# KiCad board mainPCB.kicad_pcb (continued)
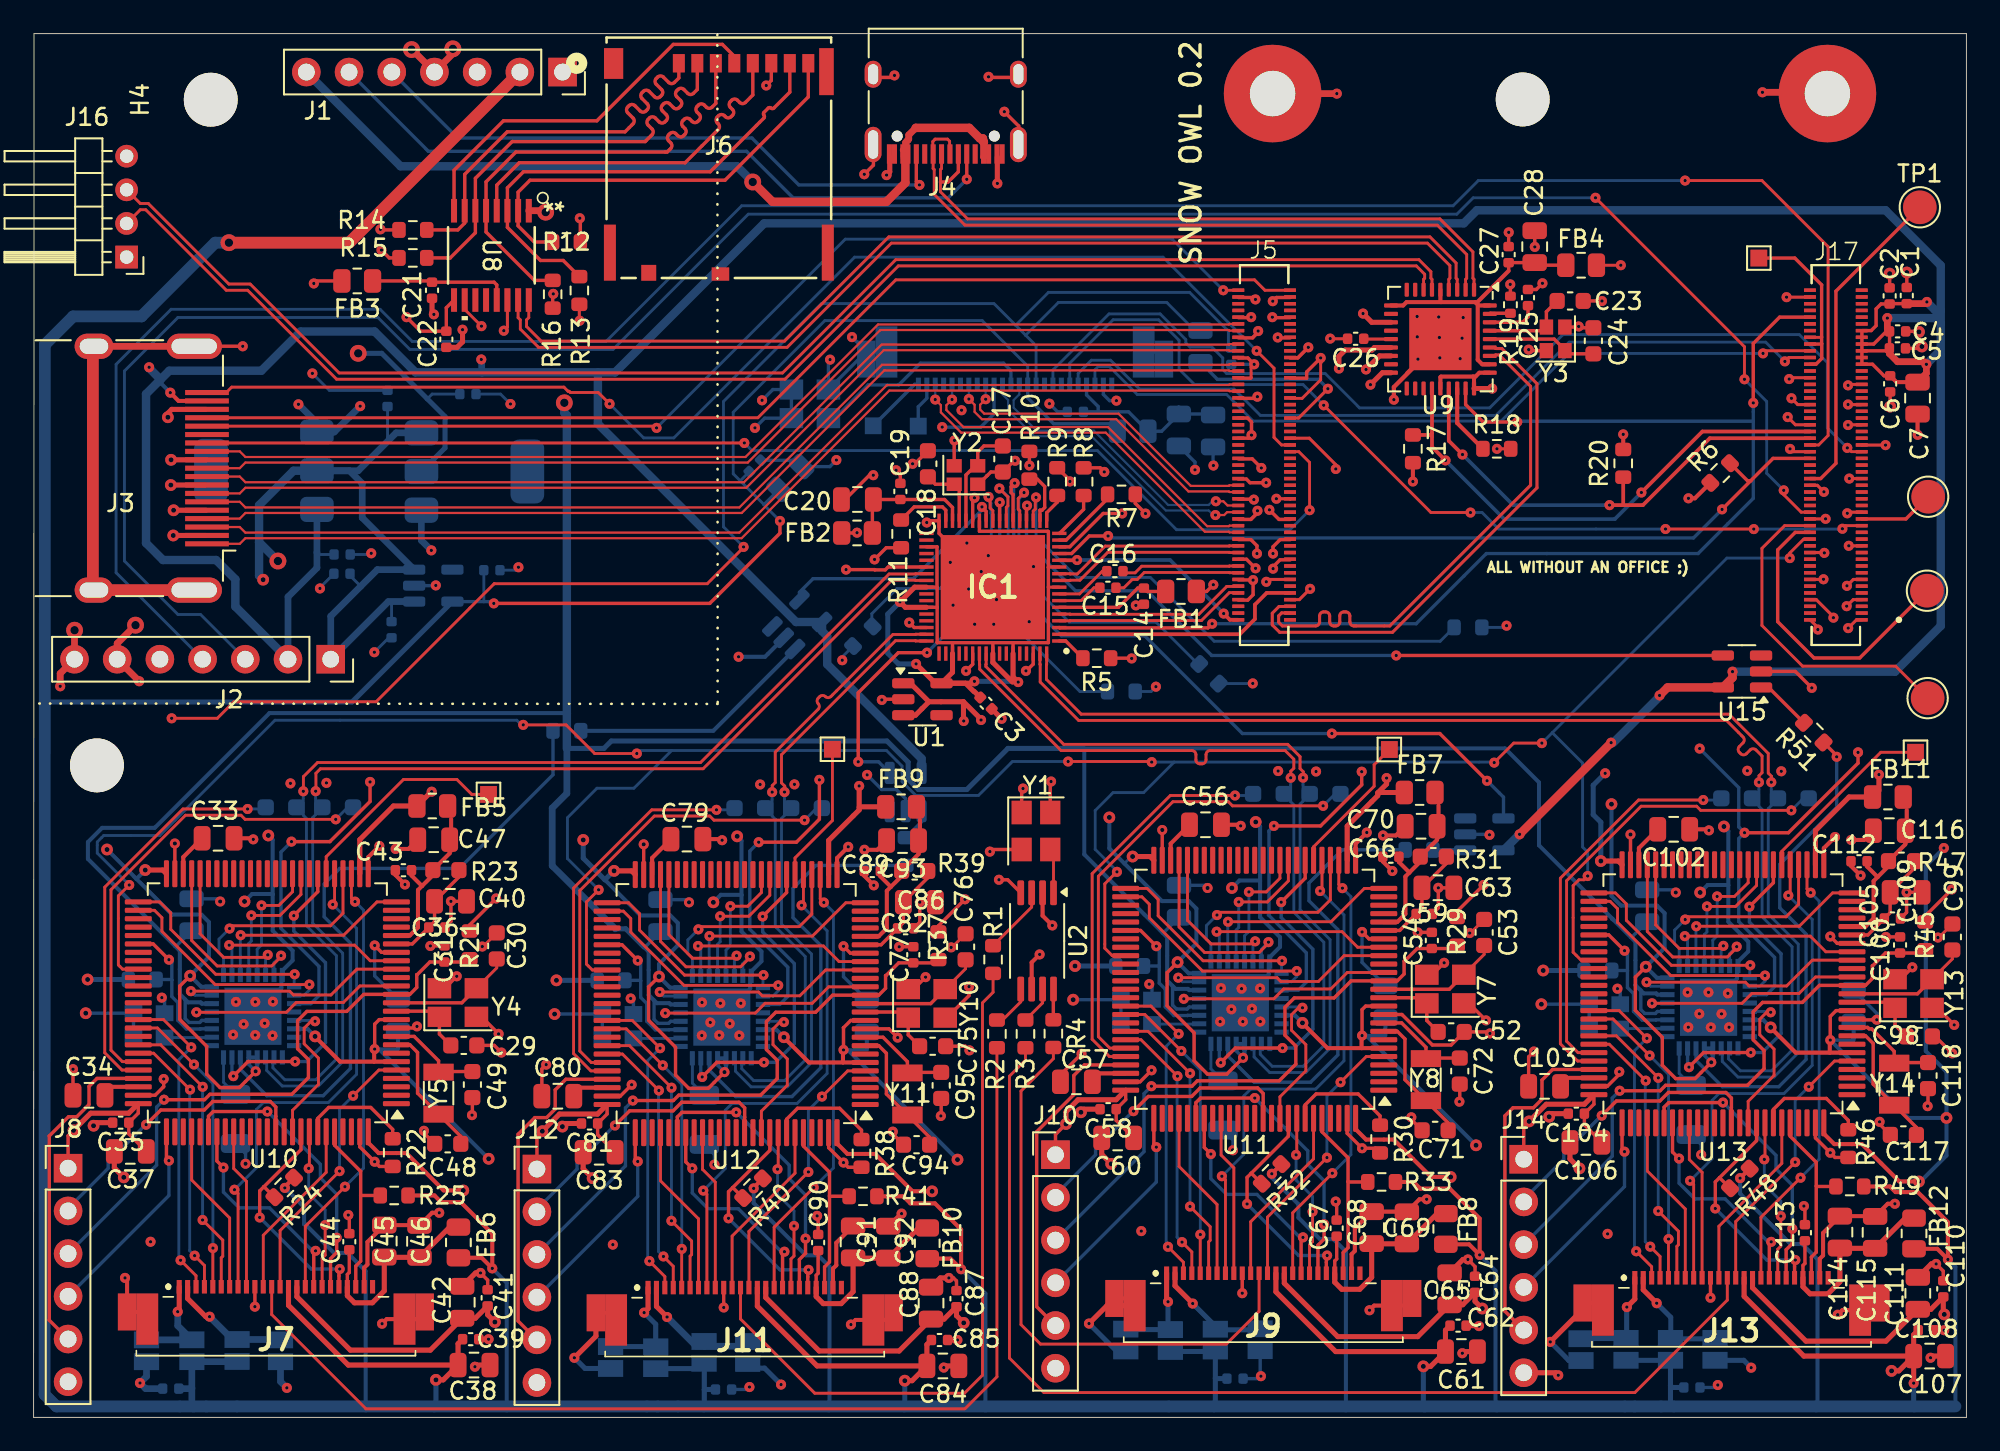
[diagram p0: board, top side]
## Routing (per net, layer and track width the routed paths; a pad name or vN(x,y) marks a point on that pad's centre or on a via; arc(x,y) is an arc through that point) (continued)
/STM32_1_USB_VBUS: length 2
  B.Cu Signal w0.2: U7.1 52.81,35.43 R43.2
/STM32_2_USB_D+: length 46.2
  F.Cu Signal w0.17: IC1.58 56.25,44.79 56.27,44.78 56.27,44.51 61.11,39.66 68.89,39.66 arc(69.06,39.59) 69.13,39.42 69.13,39.11 arc(69.2,38.94) 69.37,38.87 69.49,38.87 arc(69.66,38.94) 69.73,39.11 69.73,39.42 arc(69.8,39.59) 69.97,39.66 74.44,39.66 74.95,39.15 74.95,38.61 74.77,38.43 74.77,38.05 v1(74.77,38.04)
  B.Cu Signal w0.17: IC3.18 73.02,21.94 72.96,21.87 72.96,21.59 73.67,20.88 75.51,20.88 76.74,22.11 76.74,28.26 74.95,30.05 74.95,36.43 74.77,36.62 74.77,38.04 v1(74.77,38.04)
/STM32_2_USB_D-: length 46.2
  F.Cu Signal w0.17: IC1.59 56.65,44.79 56.64,44.78 56.64,44.66 61.27,40.03 74.59,40.03 75.32,39.3 75.32,38.59 75.52,38.4 75.52,38.06 v1(75.5,38.05)
  B.Cu Signal w0.17: v1(75.5,38.05) 75.5,38.05 75.5,36.65 75.32,36.48 75.32,30.2 77.11,28.41 77.11,21.96 75.66,20.51 73.52,20.51 72.59,21.44 72.59,21.87 72.52,21.94 IC3.19
/STM32_2_USB_VBUS: length 1.9
  B.Cu Signal w0.2: U14.1 85.12,33.75 83.22,33.75
/STM32_3_USB_D+: length 71.3
  F.Cu Signal w0.17: IC1.67 59.85,44.79 59.87,44.78 59.87,43.74 62.15,41.45 100.68,41.45 101.67,40.46 arc(101.74,40.3) 101.67,40.13 101.45,39.9 arc(101.38,39.73) 101.45,39.56 101.53,39.47 arc(101.7,39.4) 101.87,39.47 102.1,39.7 arc(102.27,39.77) 102.44,39.7 102.8,39.34 102.8,38.34 102.62,38.16 102.62,37.78 v1(102.62,37.77)
  B.Cu Signal w0.17: IC5.18 100.87,21.67 100.81,21.6 100.81,21.33 101.52,20.61 103.36,20.61 104.59,21.84 104.59,27.99 102.8,29.78 102.8,36.16 102.61,36.35 102.61,37.77 v1(102.62,37.77)
/STM32_3_USB_D-: length 71.3
  F.Cu Signal w0.17: v1(103.35,37.78) 103.37,37.79 103.37,38.13 103.17,38.32 103.17,39.49 100.84,41.83 62.31,41.83 60.24,43.89 60.24,44.78 60.25,44.79 IC1.68
  B.Cu Signal w0.17: IC5.19 100.37,21.67 100.44,21.6 100.44,21.17 101.36,20.24 103.51,20.24 104.96,21.69 104.96,28.15 103.17,29.93 103.17,36.21 103.35,36.39 103.35,37.78 v1(103.35,37.78)
/STM32_3_USB_VBUS: length 3.4
  F.Cu Signal w0.2: R51.2 103.19,43.42 U15.1
/stm-camera0/AFVDD2.8V: length 6.2
  F.Cu Signal w0.3: v1(8.57,6.28) 8.66,6.37 J7.1
  B.Cu Signal w0.4: v1(8.57,6.28) 8.57,5.45 JP9.1 9.41,4.61 6.72,4.61
/stm-camera0/BACKUP_USB_D+: length 23.8
  F.Cu Signal w0.17: v1(12.73,36.19) 8.88,36.19 4.23,31.54 4.23,21.69 5.26,20.66 6.23,20.66
  B.Cu Signal w0.17: R57.1 13.7,36.19 v1(12.73,36.19)
/stm-camera0/BACKUP_USB_D-: length 28.1
  F.Cu Signal w0.17: 6.23,21.16 5.28,21.16 4.6,21.84 4.6,31.38 9.03,35.82 12.33,35.82 12.58,35.57 v1(17.97,35.57)
  B.Cu Signal w0.17: v1(17.97,35.57) 18.68,36.29 R53.1
/stm-camera0/cam_SCL: length 14.1
  F.Cu Signal w0.2: J7.20 18.16,8.78 v1(18.2,8.82) ; R24.2 13.7,13.71 13.69,13.71 ; v1(13.45,11.89) 13.45,13.47 13.69,13.71 ; U10.92 15.9,15.92 13.69,13.71
  B.Cu Signal w0.2: v1(18.2,8.82) 16.51,8.82 v1(13.45,11.89)
/stm-camera0/cam_SDA: length 11.2
  F.Cu Signal w0.2: U10.96 17.9,16.19 19.45,14.64 19.45,13.22 ; 19.45,13.22 19.47,13.2 R25.2 ; 19.45,13.22 19.45,9.29 19.16,9 J7.22
/stm-camera0/HSYNC: length 26.3
  F.Cu Signal w0.17: U10.28 18.9,30.89 v1(19.12,30.67) ; J7.16 16.16,11.36 v1(18.52,13.72)
  B.Cu Signal w0.17: v1(19.12,30.67) 19.62,30.17 19.62,14.82 v1(18.52,13.72)
/stm-camera0/PCLK: length 30.6
  F.Cu Signal w0.17: J7.8 12.16,13.33 v1(11.95,13.54) ; U10.30 17.9,30.62 v1(17.79,30.51)
  B.Cu Signal w0.17: v1(11.95,13.54) 13.25,14.84 13.25,18.31 13.66,18.72 17.53,18.72 19.21,20.41 19.21,29.09 v1(17.79,30.51)
/stm-camera0/PHY-RESETB: length 9.2
  F.Cu Signal w0.2: 6.23,28.16 7.11,28.16 v1(8.05,27.22)
  B.Cu Signal w0.2: 10.59,23.11 9.92,23.11 9.91,23.1 9.09,23.1 8.58,23.61 8.58,24.67 8.22,25.03 8.22,26.02 ; R26.1 8.2,26.04 8.22,26.02 ; 8.22,26.02 8.22,27.05 v1(8.05,27.22)
/stm-camera0/PWDN: length 12.9
  F.Cu Signal w0.2: U10.82 10.9,15.25 v1(11.29,14.86) ; v1(16.77,9.9) 16.66,9.79 J7.17
  B.Cu Signal w0.2: v1(11.29,14.86) 11.29,13.4 12.23,12.46 14.03,12.46 16.59,9.9 v1(16.77,9.9)
/stm-camera0/RST: length 16.8
  F.Cu Signal w0.2: v1(13.9,18.19) 10.68,18.19 10.4,17.91 U10.81 ; v1(18.02,10.68) 18.02,9.8 17.66,9.44 J7.19
  B.Cu Signal w0.2: v1(18.02,10.68) 18.02,13.27 17.05,14.24 17.05,15.05 13.91,18.19 v1(13.9,18.19)
/stm-camera0/STM_RST: length 36.5
  F.Cu Signal w0.2: R21.2 25.74,27.09 C31.1 23.57,27.09 22.81,26.33 22.79,26.33 22.79,25.57 22.37,25.16 19.63,25.16 18.62,24.15 16.25,24.15 15.7,23.59 15.7,21.93 16.34,21.28 16.34,20.21 15.35,19.22 10.49,19.22 10.16,18.89 v1(7.76,18.89)
  B.Cu Signal w0.2: v1(7.76,18.89) 7.31,18.45 7.31,15 J8.3
/stm-camera0/STMPHY_CLKOUT: length 12.9
  F.Cu Signal w0.17: U10.29 18.4,29.98 17.66,29.24 11.82,29.24 v1(11.65,29.08)
  B.Cu Signal w0.17: IC2.1 11.3,27.37 11.02,27.64 11.02,28.45 v1(11.65,29.08)
  B.Cu Signal w0.2: IC2.1 11.3,26.58
/stm-camera0/STMPHY_D0: length 12.5
  F.Cu Signal w0.17: v1(12.31,28.68) 18.44,28.68 20.42,30.66 21.58,30.66
  F.Cu Signal w0.2: 12.36,28.72 v1(12.31,28.68)
  B.Cu Signal w0.17: IC2.3 12.3,28.66 v1(12.31,28.68)
/stm-camera0/STMPHY_D1: length 8.3
  F.Cu Signal w0.17: U10.34 15.9,31.1 14.65,29.86 v1(12.95,29.86)
  B.Cu Signal w0.17: v1(12.95,29.86) 12.95,28.34 12.8,28.18 IC2.4
/stm-camera0/STMPHY_D2: length 7.5
  F.Cu Signal w0.17: U10.35 15.4,31.27 14.59,30.45 v1(13.55,30.45)
  B.Cu Signal w0.17: IC2.5 13.3,27.84 13.55,28.1 v1(13.55,30.45)
/stm-camera0/STMPHY_D3: length 9.5
  F.Cu Signal w0.17: U10.46 9.9,28.76 11.3,27.36 13.77,27.36 v1(13.93,27.51)
  B.Cu Signal w0.17: v1(13.93,27.51) 13.8,27.38 IC2.6
/stm-camera0/STMPHY_D4: length 11.5
  F.Cu Signal w0.17: U10.47 9.4,28.36 10.91,26.85 14.16,26.85 14.72,27.4 v1(14.72,27.46)
  B.Cu Signal w0.17: v1(14.72,27.46) 14.3,27.04 IC2.7
/stm-camera0/STMPHY_D5: length 12.7
  F.Cu Signal w0.17: 6.23,30.66 7.5,30.66 8.16,30 8.16,29.03 10.83,26.35 v1(15.52,26.35)
  B.Cu Signal w0.17: v1(15.52,26.35) 15.5,26.33 IC2.9
  B.Cu Signal w0.2: IC2.9 15.77,25.61
/stm-camera0/STMPHY_D6: length 14.1
  F.Cu Signal w0.17: 6.23,30.16 7.19,30.16 7.63,29.72 7.63,28.91 10.8,25.74 v1(16.4,25.74)
  B.Cu Signal w0.17: IC2.10 16.09,25.11 16.4,25.42 v1(16.4,25.74)
  B.Cu Signal w0.2: v1(16.4,25.74) 16.44,25.74 16.45,25.73 16.45,25.58
/stm-camera0/STMPHY_D7: length 9.2
  F.Cu Signal w0.17: U10.91 15.4,18.27 16.94,19.8 16.94,21.37 16.09,22.22 16.09,23.15 16.5,23.56 v1(16.74,23.56)
  B.Cu Signal w0.17: IC2.13 16.69,23.61 v1(16.74,23.56)
/stm-camera0/STMPHY_DIR: length 14.3
  F.Cu Signal w0.17: 21.58,26.66 19.22,26.66 17.69,25.12 15.45,25.12 15.23,25.35 v1(9.35,25.35)
  F.Cu Signal w0.2: v1(9.35,25.35) 9.38,25.35
  B.Cu Signal w0.17: v1(9.35,25.35) 9.59,25.11 IC2.31
/stm-camera0/STMPHY_NXT: length 12.2
  F.Cu Signal w0.17: 21.58,27.16 20.02,27.16 19.09,28.09 v1(11.63,28.09)
  B.Cu Signal w0.17: IC2.2 11.8,27.92 v1(11.63,28.09)
/stm-camera0/STMPHY_OP_ID: length 18.9
  F.Cu Signal w0.2: v1(15.47,29.84) 16.9,31.27 U10.32 ; v1(15.55,21.17) 12.75,21.17 v1(11.88,20.3)
  B.Cu Signal w0.2: 11.8,21.41 11.8,20.38 v1(11.88,20.3) ; v1(15.47,29.84) 15.47,28.93 17.36,27.04 17.36,22.29 16.23,21.17 v1(15.55,21.17)
/stm-camera0/STMPHY_STP: length 13.7
  F.Cu Signal w0.17: 21.58,25.66 19.41,25.66 18.43,24.68 15.62,24.68 15.03,24.09 v1(9.68,24.09)
  F.Cu Signal w0.2: 9.49,24.08 9.52,24.09 9.53,24.09 9.67,24.09 v1(9.68,24.09)
  B.Cu Signal w0.17: v1(9.68,24.09) 9.7,24.11 10.59,24.11
/stm-camera0/SWCLK: length 12.3
  F.Cu Signal w0.2: U10.76 7.9,15.41 v1(8.05,15.27)
  B.Cu Signal w0.2: v1(8.05,15.27) 8.05,13.19 J8.4
/stm-camera0/SWDIO: length 19.9
  F.Cu Signal w0.2: 6.23,20.16 3.77,20.16 3.3,19.69 3.3,18.61 2.57,17.88 2.08,17.88 0.93,16.73 0.93,5.78 J8.5
/stm-camera0/SWO: length 17
  F.Cu Signal w0.2: U10.89 14.4,17.9 14.4,17.9 14.4,18.46 14.07,18.79 10.66,18.79 10.15,18.28 7.56,18.28 v1(6.69,17.41)
  B.Cu Signal w0.2: J8.2 2.05,12.43 4.44,14.82 4.44,15.18 6.66,17.41 v1(6.69,17.41)
/stm-camera0/VSYNC: length 9.7
  F.Cu Signal w0.17: v1(17.34,11.43) 17.34,9.65 17.16,9.47 J7.18 ; v1(16.36,14.81) 16.4,14.85 U10.93
  B.Cu Signal w0.17: v1(16.36,14.81) 16.36,13.31 17.34,12.33 v1(17.34,11.43)
/stm-camera0/Y0: length 17.3
  F.Cu Signal w0.17: v1(10.05,11.74) 11.25,10.54 11.25,9.58 11.16,9.49 J7.6 ; 6.23,22.16 7.56,22.16 v1(10.05,19.66)
  B.Cu Signal w0.17: v1(10.05,19.66) 10.05,19.66 v1(10.05,11.74)
/stm-camera0/Y1: length 16.2
  F.Cu Signal w0.17: v1(9.3,19.49) 7.14,21.66 6.23,21.66 ; J7.4 10.16,9.04 v1(9.58,9.62)
  B.Cu Signal w0.17: v1(9.58,9.62) 9.28,9.91 9.28,19.47 v1(9.3,19.49)
  B.Cu Signal w0.2: 9.38,19.42 v1(9.3,19.49)
/stm-camera0/Y2: length 18.9
  F.Cu Signal w0.17: v1(8.74,9.34) 9.66,8.43 J7.3 ; 6.23,23.66 7.73,23.66 v1(9.38,22.01)
  B.Cu Signal w0.17: v1(8.74,9.34) 8.63,9.45 8.63,21.27 v1(9.38,22.01)
  B.Cu Signal w0.2: v1(9.38,22.01) 9.44,21.95 9.44,21.94
/stm-camera0/Y3: length 18
  F.Cu Signal w0.17: v1(9.54,20.99) 7.37,23.16 6.23,23.16 ; J7.5 10.66,10.06 v1(10.66,10.07)
  B.Cu Signal w0.17: v1(9.54,20.99) 10.66,19.86 v1(10.66,10.07)
  B.Cu Signal w0.2: 9.61,20.99 v1(9.54,20.99)
/stm-camera0/Y4: length 10.2
  F.Cu Signal w0.17: J7.7 11.66,11.86 9.4,14.12 U10.79
/stm-camera0/Y5: length 9.5
  F.Cu Signal w0.17: U10.84 11.9,14.8 12.66,14.04 J7.9
/stm-camera0/Y6: length 10.8
  F.Cu Signal w0.17: J7.11 13.66,10.83 17.4,14.57 U10.95
/stm-camera0/Y7: length 16.4
  F.Cu Signal w0.17: v1(19,19.13) 20.53,20.66 21.58,20.66 ; v1(18.2,14.65) 14.66,11.11 J7.13
  F.Cu Signal w0.2: 18.2,14.61 v1(18.2,14.65)
  B.Cu Signal w0.17: v1(18.2,14.65) 18.2,18.32 v1(19,19.13)
/stm-camera1/AFVDD2.8V: length 6.1
  F.Cu Signal w0.3: J9.1 67.39,6.96 v1(67.47,6.87)
  B.Cu Signal w0.3: 64.96,5.25 64.99,5.22 JP10.1 67.47,5.36 v1(67.47,6.87)
/stm-camera1/BACKUP_USB_D+: length 23.8
  F.Cu Signal w0.17: U11.71 63.98,21.46 62.96,22.49 62.96,32.34 67.61,36.99 v1(71.45,36.99)
  B.Cu Signal w0.17: R58.1 72.43,36.99 v1(71.45,36.99)
/stm-camera1/BACKUP_USB_D-: length 28.1
  F.Cu Signal w0.17: U11.70 64.01,21.96 63.33,22.64 63.33,32.19 67.76,36.62 71.06,36.62 71.31,36.37 v1(76.7,36.37)
  B.Cu Signal w0.17: v1(76.7,36.37) 77.41,37.09 R54.1
/stm-camera1/cam_SCL: length 14.1
  F.Cu Signal w0.2: 72.42,14.52 72.43,14.52 R32.2 ; 72.42,14.52 74.63,16.73 U11.92 ; 72.42,14.52 72.17,14.27 v1(72.17,12.69) ; v1(76.93,9.63) 76.89,9.58 J9.20
  B.Cu Signal w0.2: v1(72.17,12.69) 75.24,9.63 v1(76.93,9.63)
/stm-camera1/cam_SDA: length 11.2
  F.Cu Signal w0.2: 78.18,14.02 78.18,15.44 76.63,16.99 U11.96 ; 78.18,14.02 78.18,10.09 77.89,9.8 J9.22 ; 78.18,14.02 78.2,14 R33.2
/stm-camera1/HSYNC: length 26.3
  F.Cu Signal w0.17: U11.28 77.63,31.69 v1(77.84,31.48) ; J9.16 74.89,12.17 v1(77.24,14.52)
  B.Cu Signal w0.17: v1(77.84,31.48) 78.35,30.97 78.35,15.63 v1(77.24,14.52)
/stm-camera1/PCLK: length 30.6
  F.Cu Signal w0.17: J9.8 70.89,14.13 v1(70.67,14.34) ; U11.30 76.63,31.42 v1(76.52,31.31)
  B.Cu Signal w0.17: v1(76.52,31.31) 77.94,29.89 77.94,21.21 76.26,19.53 72.39,19.53 71.98,19.12 71.98,15.65 v1(70.67,14.34)
/stm-camera1/PHY-RESETB: length 9.2
  F.Cu Signal w0.2: U11.56 65.84,28.96 v1(66.78,28.02)
  B.Cu Signal w0.2: 66.95,26.82 66.95,27.85 v1(66.78,28.02) ; 66.95,26.82 66.95,25.83 67.31,25.47 67.31,24.41 67.82,23.9 68.64,23.9 68.65,23.91 IC3.27 ; 66.95,26.82 66.92,26.85 R34.1
/stm-camera1/PWDN: length 12.9
  F.Cu Signal w0.2: v1(75.5,10.71) 75.39,10.6 J9.17 ; U11.82 69.63,16.05 v1(70.02,15.66)
  B.Cu Signal w0.2: v1(75.5,10.71) 75.31,10.71 72.76,13.26 70.96,13.26 70.02,14.2 v1(70.02,15.66)
/stm-camera1/RST: length 16.8
  F.Cu Signal w0.2: J9.19 76.39,10.24 76.75,10.61 v1(76.75,11.49) ; U11.81 69.13,18.72 69.4,18.99 v1(72.63,18.99)
  B.Cu Signal w0.2: v1(76.75,11.49) 76.75,14.08 75.78,15.05 75.78,15.85 72.64,18.99 v1(72.63,18.99)
/stm-camera1/STM_RST: length 36.5
  F.Cu Signal w0.2: v1(66.48,19.7) 68.89,19.7 69.21,20.02 74.08,20.02 75.07,21.01 75.07,22.08 74.43,22.73 74.43,24.39 74.98,24.95 77.35,24.95 78.36,25.96 U11.14 81.1,25.96 81.51,26.37 81.51,27.13 81.54,27.13 82.29,27.89 C54.1 84.46,27.89 R29.2
  B.Cu Signal w0.2: v1(66.48,19.7) 66.04,19.26 66.04,15.81 J10.3
/stm-camera1/STMPHY_CLKOUT: length 12.9
  F.Cu Signal w0.17: v1(70.38,29.88) 70.55,30.04 76.38,30.04 77.13,30.79 U11.29
  B.Cu Signal w0.17: IC3.1 70.02,28.17 69.75,28.44 69.75,29.25 v1(70.38,29.88)
  B.Cu Signal w0.2: IC3.1 70.02,27.39
/stm-camera1/STMPHY_D0: length 12.5
  F.Cu Signal w0.17: U11.25 79.15,31.46 77.17,29.48 v1(71.04,29.48)
  F.Cu Signal w0.2: 71.09,29.53 v1(71.04,29.48)
  B.Cu Signal w0.17: IC3.3 71.02,29.46 v1(71.04,29.48)
/stm-camera1/STMPHY_D1: length 8.3
  F.Cu Signal w0.17: U11.34 74.63,31.91 73.38,30.66 v1(71.68,30.66)
  B.Cu Signal w0.17: IC3.4 71.52,28.99 71.68,29.14 v1(71.68,30.66)
/stm-camera1/STMPHY_D2: length 7.5
  F.Cu Signal w0.17: U11.35 74.13,32.07 73.31,31.25 v1(72.28,31.25)
  B.Cu Signal w0.17: IC3.5 72.02,28.65 72.28,28.91 v1(72.28,31.25)
/stm-camera1/STMPHY_D3: length 9.5
  F.Cu Signal w0.17: v1(72.65,28.31) 72.5,28.16 70.03,28.16 68.63,29.56 U11.46
  B.Cu Signal w0.17: v1(72.65,28.31) 72.52,28.18 IC3.6
/stm-camera1/STMPHY_D4: length 11.5
  F.Cu Signal w0.17: U11.47 68.13,29.17 69.64,27.65 72.89,27.65 73.44,28.2 v1(73.44,28.27)
  B.Cu Signal w0.17: IC3.7 73.02,27.84 v1(73.44,28.27)
/stm-camera1/STMPHY_D5: length 12.7
  F.Cu Signal w0.17: U11.51 66.23,31.46 66.88,30.81 66.88,29.83 69.56,27.16 v1(74.25,27.16)
  B.Cu Signal w0.17: v1(74.25,27.16) 74.22,27.13 IC3.9
  B.Cu Signal w0.2: IC3.9 74.5,26.41
/stm-camera1/STMPHY_D6: length 14.1
  F.Cu Signal w0.17: v1(75.13,26.55) 69.52,26.55 66.36,29.71 66.36,30.52 65.92,30.96 U11.52
  B.Cu Signal w0.17: IC3.10 74.82,25.91 75.13,26.22 v1(75.13,26.55)
  B.Cu Signal w0.2: v1(75.13,26.55) 75.17,26.55 75.18,26.54 75.18,26.38
/stm-camera1/STMPHY_D7: length 9.2
  F.Cu Signal w0.17: v1(75.47,24.36) 75.23,24.36 74.82,23.95 74.82,23.02 75.67,22.17 75.67,20.61 74.13,19.07 U11.91
  B.Cu Signal w0.17: v1(75.47,24.36) 75.42,24.41 IC3.13
/stm-camera1/STMPHY_DIR: length 14.3
  F.Cu Signal w0.17: U11.17 77.95,27.46 76.41,25.93 74.18,25.93 73.96,26.15 v1(68.08,26.15)
  F.Cu Signal w0.2: v1(68.08,26.15) 68.1,26.15
  B.Cu Signal w0.17: v1(68.08,26.15) 68.32,25.91 IC3.31
/stm-camera1/STMPHY_NXT: length 12.2
  F.Cu Signal w0.17: v1(70.36,28.89) 77.82,28.89 78.75,27.96 U11.18
  B.Cu Signal w0.17: IC3.2 70.52,28.73 v1(70.36,28.89)
/stm-camera1/STMPHY_OP_ID: length 18.9
  F.Cu Signal w0.2: v1(70.61,21.1) 71.48,21.97 v1(74.28,21.97) ; v1(74.2,30.64) 75.63,32.07 U11.32
  B.Cu Signal w0.2: IC3.23 70.52,21.18 v1(70.61,21.1) ; v1(74.2,30.64) 74.2,29.73 76.09,27.84 76.09,23.09 74.96,21.97 v1(74.28,21.97)
/stm-camera1/STMPHY_STP: length 13.7
  F.Cu Signal w0.17: v1(68.41,24.9) 73.76,24.9 74.35,25.48 77.15,25.48 78.13,26.46 U11.15
  F.Cu Signal w0.2: 68.22,24.89 68.24,24.89 68.26,24.89 68.4,24.89 v1(68.41,24.9)
  B.Cu Signal w0.17: IC3.29 68.43,24.91 v1(68.41,24.9)
/stm-camera1/SWCLK: length 12.3
  F.Cu Signal w0.2: v1(66.77,16.07) 66.63,16.22 U11.76
  B.Cu Signal w0.2: v1(66.77,16.07) 66.77,14 J10.4
/stm-camera1/SWDIO: length 19.6
  F.Cu Signal w0.2: J10.5 59.66,6.58 59.66,16.99 61.86,19.19 61.86,20.33 62.5,20.96 U11.72
/stm-camera1/SWO: length 17
  F.Cu Signal w0.2: U11.89 73.13,18.7 73.13,18.71 73.13,19.26 72.8,19.59 69.38,19.59 68.88,19.09 66.29,19.09 v1(65.42,18.21)
  B.Cu Signal w0.2: v1(65.42,18.21) 65.39,18.21 63.16,15.98 63.16,15.62 60.78,13.23 J10.2
/stm-camera1/VSYNC: length 9.7
  F.Cu Signal w0.17: v1(76.07,12.24) 76.07,10.45 75.89,10.27 J9.18 ; U11.93 75.13,15.65 v1(75.09,15.61)
  B.Cu Signal w0.17: v1(75.09,15.61) 75.09,14.11 76.07,13.13 v1(76.07,12.24)
/stm-camera1/Y0: length 17.3
  F.Cu Signal w0.17: v1(68.78,20.46) 66.28,22.96 U11.68 ; v1(68.78,12.54) 69.98,11.34 69.98,10.53 69.89,10.44 J9.6
  B.Cu Signal w0.17: v1(68.78,12.54) 68.78,20.46 v1(68.78,20.46)
/stm-camera1/Y1: length 16.2
  F.Cu Signal w0.17: U11.69 65.86,22.46 v1(68.03,20.3) ; v1(68.3,10.42) 68.89,9.84 J9.4
  B.Cu Signal w0.17: v1(68.03,20.3) 68.01,20.27 68.01,10.72 v1(68.3,10.42)
  B.Cu Signal w0.2: 68.11,20.22 v1(68.03,20.3)
/stm-camera1/Y2: length 18.9
  F.Cu Signal w0.17: U11.65 66.45,24.46 v1(68.1,22.81) ; v1(67.47,10.15) 68.39,9.23 J9.3
  B.Cu Signal w0.17: v1(68.1,22.81) 67.36,22.07 67.36,10.25 v1(67.47,10.15)
  B.Cu Signal w0.2: v1(68.1,22.81) 68.17,22.75 68.17,22.74
/stm-camera1/Y3: length 18
  F.Cu Signal w0.17: v1(69.39,10.87) 69.39,10.87 J9.5 ; v1(68.26,21.79) 66.09,23.96 U11.66
  B.Cu Signal w0.17: v1(68.26,21.79) 69.39,20.66 v1(69.39,10.87)
  B.Cu Signal w0.2: 68.34,21.79 v1(68.26,21.79)
/stm-camera1/Y4: length 10.2
  F.Cu Signal w0.17: J9.7 70.39,12.66 68.13,14.92 U11.79
/stm-camera1/Y5: length 9.5
  F.Cu Signal w0.17: J9.9 71.39,14.84 70.63,15.6 U11.84
/stm-camera1/Y6: length 10.8
  F.Cu Signal w0.17: J9.11 72.39,11.64 76.13,15.38 U11.95
/stm-camera1/Y7: length 16.4
  F.Cu Signal w0.17: J9.13 73.39,11.91 v1(76.92,15.45) ; U11.5 79.26,21.46 v1(77.73,19.93)
  F.Cu Signal w0.2: 76.92,15.41 v1(76.92,15.45)
  B.Cu Signal w0.17: v1(76.92,15.45) 76.92,19.12 v1(77.73,19.93)
/stm-camera2/AFVDD2.8V: length 6.8
  F.Cu Signal w0.2: J11.1 36.54,7.9
  F.Cu Signal w0.3: J11.1 36.54,6.46 v1(36.31,6.23)
  B.Cu Signal w0.3: JP15.1 36.99,4.21 JP11.1 37,5.54 v1(36.31,6.23)
/stm-camera2/BACKUP_USB_D+: length 23.8
  F.Cu Signal w0.17: U12.71 33.14,20.61 32.11,21.64 32.11,31.49 36.76,36.14 v1(40.61,36.14)
  B.Cu Signal w0.17: R59.1 41.59,36.14 v1(40.61,36.14)
/stm-camera2/BACKUP_USB_D-: length 28.1
  F.Cu Signal w0.17: v1(45.85,35.52) 40.46,35.52 40.22,35.77 36.92,35.77 32.48,31.33 32.48,21.79 33.17,21.11 U12.70
  B.Cu Signal w0.17: v1(45.85,35.52) 46.57,36.24 R55.1
/stm-camera2/cam_SCL: length 14.1
  F.Cu Signal w0.2: R40.2 41.59,13.66 41.58,13.66 ; v1(46.09,8.77) 46.04,8.73 J11.20 ; U12.92 43.78,15.87 41.58,13.66 ; 41.58,13.66 41.33,13.42 v1(41.33,11.84)
  B.Cu Signal w0.2: v1(41.33,11.84) 44.39,8.77 v1(46.09,8.77)
/stm-camera2/cam_SDA: length 11.2
  F.Cu Signal w0.2: 47.34,13.17 47.34,9.24 47.04,8.95 J11.22 ; 47.34,13.17 47.36,13.15 R41.2 ; 47.34,13.17 47.34,14.59 45.78,16.14 U12.96
/stm-camera2/HSYNC: length 26.4
  F.Cu Signal w0.17: U12.28 46.78,30.84 v1(47,30.62) ; v1(46.4,13.67) 44.04,11.31 J11.16
  B.Cu Signal w0.17: v1(47,30.62) 47.57,30.05 47.57,14.84 v1(46.4,13.67)
/stm-camera2/PCLK: length 30.6
  F.Cu Signal w0.17: J11.8 40.04,13.28 v1(39.83,13.49) ; v1(45.67,30.46) 45.78,30.57 U12.30
  B.Cu Signal w0.17: v1(39.83,13.49) 41.14,14.79 41.14,18.27 41.55,18.67 45.41,18.67 47.2,20.46 47.2,28.93 v1(45.67,30.46)
/stm-camera2/PHY-RESETB: length 9.2
  F.Cu Signal w0.2: v1(35.93,27.17) 35,28.11 U12.56
  B.Cu Signal w0.2: v1(35.93,27.17) 36.11,27 36.11,25.97 ; 36.11,25.97 36.08,25.99 R42.1 ; 36.11,25.97 36.11,24.98 36.47,24.62 36.47,23.56 36.97,23.05 37.79,23.05 37.8,23.06 IC4.27
/stm-camera2/PWDN: length 12.9
  F.Cu Signal w0.2: v1(39.17,14.81) 38.78,15.2 U12.82 ; J11.17 44.54,9.74 v1(44.66,9.85)
  B.Cu Signal w0.2: v1(44.66,9.85) 44.47,9.85 41.92,12.41 40.11,12.41 39.17,13.35 v1(39.17,14.81)
/stm-camera2/RST: length 16.8
  F.Cu Signal w0.2: v1(45.91,10.63) 45.91,9.75 45.54,9.39 J11.19 ; v1(41.79,18.14) 38.56,18.14 38.28,17.86 U12.81
  B.Cu Signal w0.2: v1(41.79,18.14) 41.8,18.14 44.94,15 44.94,14.19 45.91,13.22 v1(45.91,10.63)
/stm-camera2/STM_RST: length 36.5
  F.Cu Signal w0.2: v1(35.64,18.84) 38.05,18.84 38.37,19.17 43.24,19.17 44.23,20.16 44.23,21.23 43.58,21.88 43.58,23.54 44.14,24.1 46.51,24.1 47.52,25.11 50.26,25.11 50.67,25.52 50.67,26.28 50.7,26.28 51.45,27.04 C77.1 53.62,27.04 R37.2
  B.Cu Signal w0.2: J12.3 35.2,14.95 35.2,18.4 v1(35.64,18.84)
/stm-camera2/STMPHY_CLKOUT: length 12.9
  F.Cu Signal w0.17: v1(39.54,29.03) 39.7,29.19 45.54,29.19 46.28,29.93 U12.29
  B.Cu Signal w0.17: v1(39.54,29.03) 38.91,28.4 38.91,27.59 39.18,27.32 39.18,26.26
  B.Cu Signal w0.2: 39.18,26.26 39.18,26.53
/stm-camera2/STMPHY_D0: length 12.5
  F.Cu Signal w0.17: v1(40.2,28.63) 46.32,28.63 48.31,30.61 49.46,30.61
  F.Cu Signal w0.2: 40.24,28.67 v1(40.2,28.63)
  B.Cu Signal w0.17: 40.18,26.26 40.18,28.61 v1(40.2,28.63)
/stm-camera2/STMPHY_D1: length 8.3
  F.Cu Signal w0.17: v1(40.83,29.81) 42.54,29.81 43.78,31.05 U12.34
  B.Cu Signal w0.17: 40.68,26.26 40.68,28.13 40.83,28.29 v1(40.83,29.81)
/stm-camera2/STMPHY_D2: length 7.5
  F.Cu Signal w0.17: v1(41.44,30.4) 42.47,30.4 43.28,31.21 U12.35
  B.Cu Signal w0.17: 41.18,26.26 41.18,27.79 41.44,28.05 v1(41.44,30.4)
/stm-camera2/STMPHY_D3: length 9.5
  F.Cu Signal w0.17: U12.46 37.78,28.71 39.19,27.31 41.66,27.31 v1(41.81,27.46)
  F.Cu Signal w0.2: 41.81,27.46 v1(41.81,27.46)
  B.Cu Signal w0.17: v1(41.81,27.46) 41.68,27.33 41.68,26.26
/stm-camera2/STMPHY_D4: length 11.5
  F.Cu Signal w0.17: v1(42.6,27.41) 42.6,27.35 42.05,26.8 38.8,26.8 37.28,28.31 U12.47
  B.Cu Signal w0.17: v1(42.6,27.41) 42.18,26.99 42.18,26.26
/stm-camera2/STMPHY_D5: length 12.7
  F.Cu Signal w0.17: v1(43.41,26.3) 38.72,26.3 36.04,28.98 36.04,29.95 35.39,30.61 U12.51
  B.Cu Signal w0.17: v1(43.41,26.3) 43.38,26.28 IC4.9
  B.Cu Signal w0.2: IC4.9 43.66,25.56
/stm-camera2/STMPHY_D6: length 14.1
  F.Cu Signal w0.17: U12.52 35.08,30.11 35.52,29.67 35.52,28.86 38.68,25.7 v1(44.28,25.7)
  B.Cu Signal w0.17: IC4.10 43.97,25.06 44.28,25.37 v1(44.28,25.7)
  B.Cu Signal w0.2: v1(44.28,25.7) 44.33,25.7 44.34,25.68 44.34,25.53
/stm-camera2/STMPHY_D7: length 9.2
  F.Cu Signal w0.17: U12.91 43.28,18.21 44.83,19.75 44.83,21.32 43.97,22.17 43.97,23.1 44.39,23.51 v1(44.62,23.51)
  B.Cu Signal w0.17: 43.38,23.56 44.58,23.56 v1(44.62,23.51)
/stm-camera2/STMPHY_DIR: length 14.3
  F.Cu Signal w0.17: v1(37.24,25.3) 43.12,25.3 43.34,25.07 45.57,25.07 47.11,26.61 49.46,26.61
  F.Cu Signal w0.2: v1(37.24,25.3) 37.26,25.3
  B.Cu Signal w0.17: IC4.31 37.48,25.06 v1(37.24,25.3)
/stm-camera2/STMPHY_NXT: length 12.2
  F.Cu Signal w0.17: v1(39.52,28.04) 46.98,28.04 47.91,27.11 49.46,27.11
  B.Cu Signal w0.17: 39.68,26.26 39.68,27.88 v1(39.52,28.04)
/stm-camera2/STMPHY_OP_ID: length 18.9
  F.Cu Signal w0.2: v1(43.44,21.12) 40.63,21.12 v1(39.76,20.25) ; U12.32 44.78,31.22 v1(43.36,29.79)
  B.Cu Signal w0.2: v1(43.36,29.79) 43.36,28.88 45.24,26.99 45.24,22.24 44.12,21.12 v1(43.44,21.12) ; v1(39.76,20.25) 39.68,20.33 IC4.23
/stm-camera2/STMPHY_STP: length 13.7
  F.Cu Signal w0.17: v1(37.57,24.04) 42.92,24.04 43.5,24.63 46.31,24.63 47.29,25.61 49.46,25.61
  F.Cu Signal w0.2: v1(37.57,24.04) 37.56,24.04 37.4,24.03 37.39,24.03 37.37,24.03
  B.Cu Signal w0.17: v1(37.57,24.04) 37.58,24.06 IC4.29
/stm-camera2/SWCLK: length 12.3
  F.Cu Signal w0.2: v1(35.93,15.22) 35.78,15.36 U12.76
  B.Cu Signal w0.2: J12.4 35.93,13.14 v1(35.93,15.22)
/stm-camera2/SWDIO: length 20
  F.Cu Signal w0.2: U12.72 31.65,20.11 31.02,19.48 31.02,18.34 30.51,17.83 29.81,17.83 28.81,16.83 28.81,5.73 J12.5
/stm-camera2/SWO: length 17
  F.Cu Signal w0.2: U12.89 42.28,17.85 42.29,17.85 42.29,18.41 41.96,18.74 38.54,18.74 38.03,18.23 35.45,18.23 v1(34.58,17.36)
  B.Cu Signal w0.2: v1(34.58,17.36) 34.55,17.36 32.32,15.13 32.32,14.77 29.94,12.38 J12.2
/stm-camera2/VSYNC: length 9.7
  F.Cu Signal w0.17: U12.93 44.28,14.8 v1(44.25,14.76) ; J11.18 45.04,9.42 45.22,9.6 v1(45.22,11.38)
  B.Cu Signal w0.17: v1(45.22,11.38) 45.22,12.28 44.25,13.26 v1(44.25,14.76)
/stm-camera2/Y0: length 17.3
  F.Cu Signal w0.17: v1(37.94,11.69) 39.14,10.49 39.14,9.68 39.04,9.59 J11.6 ; v1(37.94,19.61) 35.44,22.11 U12.68
  B.Cu Signal w0.17: v1(37.94,19.61) 37.94,19.61 v1(37.94,11.69)
/stm-camera2/Y1: length 16.2
  F.Cu Signal w0.17: U12.69 35.02,21.61 v1(37.19,19.44) ; v1(37.46,9.57) 38.04,8.99 J11.4
  B.Cu Signal w0.17: v1(37.46,9.57) 37.17,9.86 37.17,19.42 v1(37.19,19.44)
  B.Cu Signal w0.2: 37.27,19.37 v1(37.19,19.44)
/stm-camera2/Y2: length 18.9
  F.Cu Signal w0.17: J11.3 37.54,8.38 v1(36.62,9.29) ; U12.65 35.61,23.61 v1(37.26,21.96)
  B.Cu Signal w0.17: v1(36.62,9.29) 36.52,9.4 36.52,21.22 v1(37.26,21.96)
  B.Cu Signal w0.2: 37.33,21.89 37.33,21.89 v1(37.26,21.96)
/stm-camera2/Y3: length 18
  F.Cu Signal w0.17: v1(38.55,10.02) 38.54,10.01 J11.5 ; U12.66 35.25,23.11 v1(37.42,20.94)
  B.Cu Signal w0.17: v1(38.55,10.02) 38.55,19.81 v1(37.42,20.94)
  B.Cu Signal w0.2: 37.5,20.94 v1(37.42,20.94)
/stm-camera2/Y4: length 10.2
  F.Cu Signal w0.17: U12.79 37.28,14.07 39.54,11.81 J11.7
/stm-camera2/Y5: length 9.5
  F.Cu Signal w0.17: J11.9 40.54,13.99 39.78,14.75 U12.84
/stm-camera2/Y6: length 10.8
  F.Cu Signal w0.17: U12.95 45.28,14.52 41.54,10.78 J11.11
/stm-camera2/Y7: length 16.4
  F.Cu Signal w0.17: 49.46,20.61 48.42,20.61 v1(46.89,19.08) ; v1(46.08,14.6) 42.54,11.06 J11.13
  F.Cu Signal w0.2: 46.08,14.56 v1(46.08,14.6)
  B.Cu Signal w0.17: v1(46.08,14.6) 46.08,18.27 v1(46.89,19.08)
/stm-camera3/AFVDD2.8V: length 6.7
  F.Cu Signal w0.2: 95.24,8.47 J13.1
  F.Cu Signal w0.3: v1(94.76,6.56) 95.24,7.03 J13.1
  B.Cu Signal w0.3: 92.04,4.69 94.74,4.69 94.75,4.7 94.75,6.55 v1(94.76,6.56)
/stm-camera3/BACKUP_USB_D+: length 23.8
  F.Cu Signal w0.17: v1(99.3,36.72) 95.46,36.72 90.81,32.07 90.81,22.22 91.83,21.19 U13.71
  B.Cu Signal w0.17: v1(99.3,36.72) 100.28,36.72 R60.1
/stm-camera3/BACKUP_USB_D-: length 28.1
  F.Cu Signal w0.17: U13.70 91.86,21.69 91.18,22.37 91.18,31.92 95.61,36.35 98.91,36.35 99.15,36.11 v1(104.54,36.11)